# Allegro board arena_12-12_v5.brd (continued)
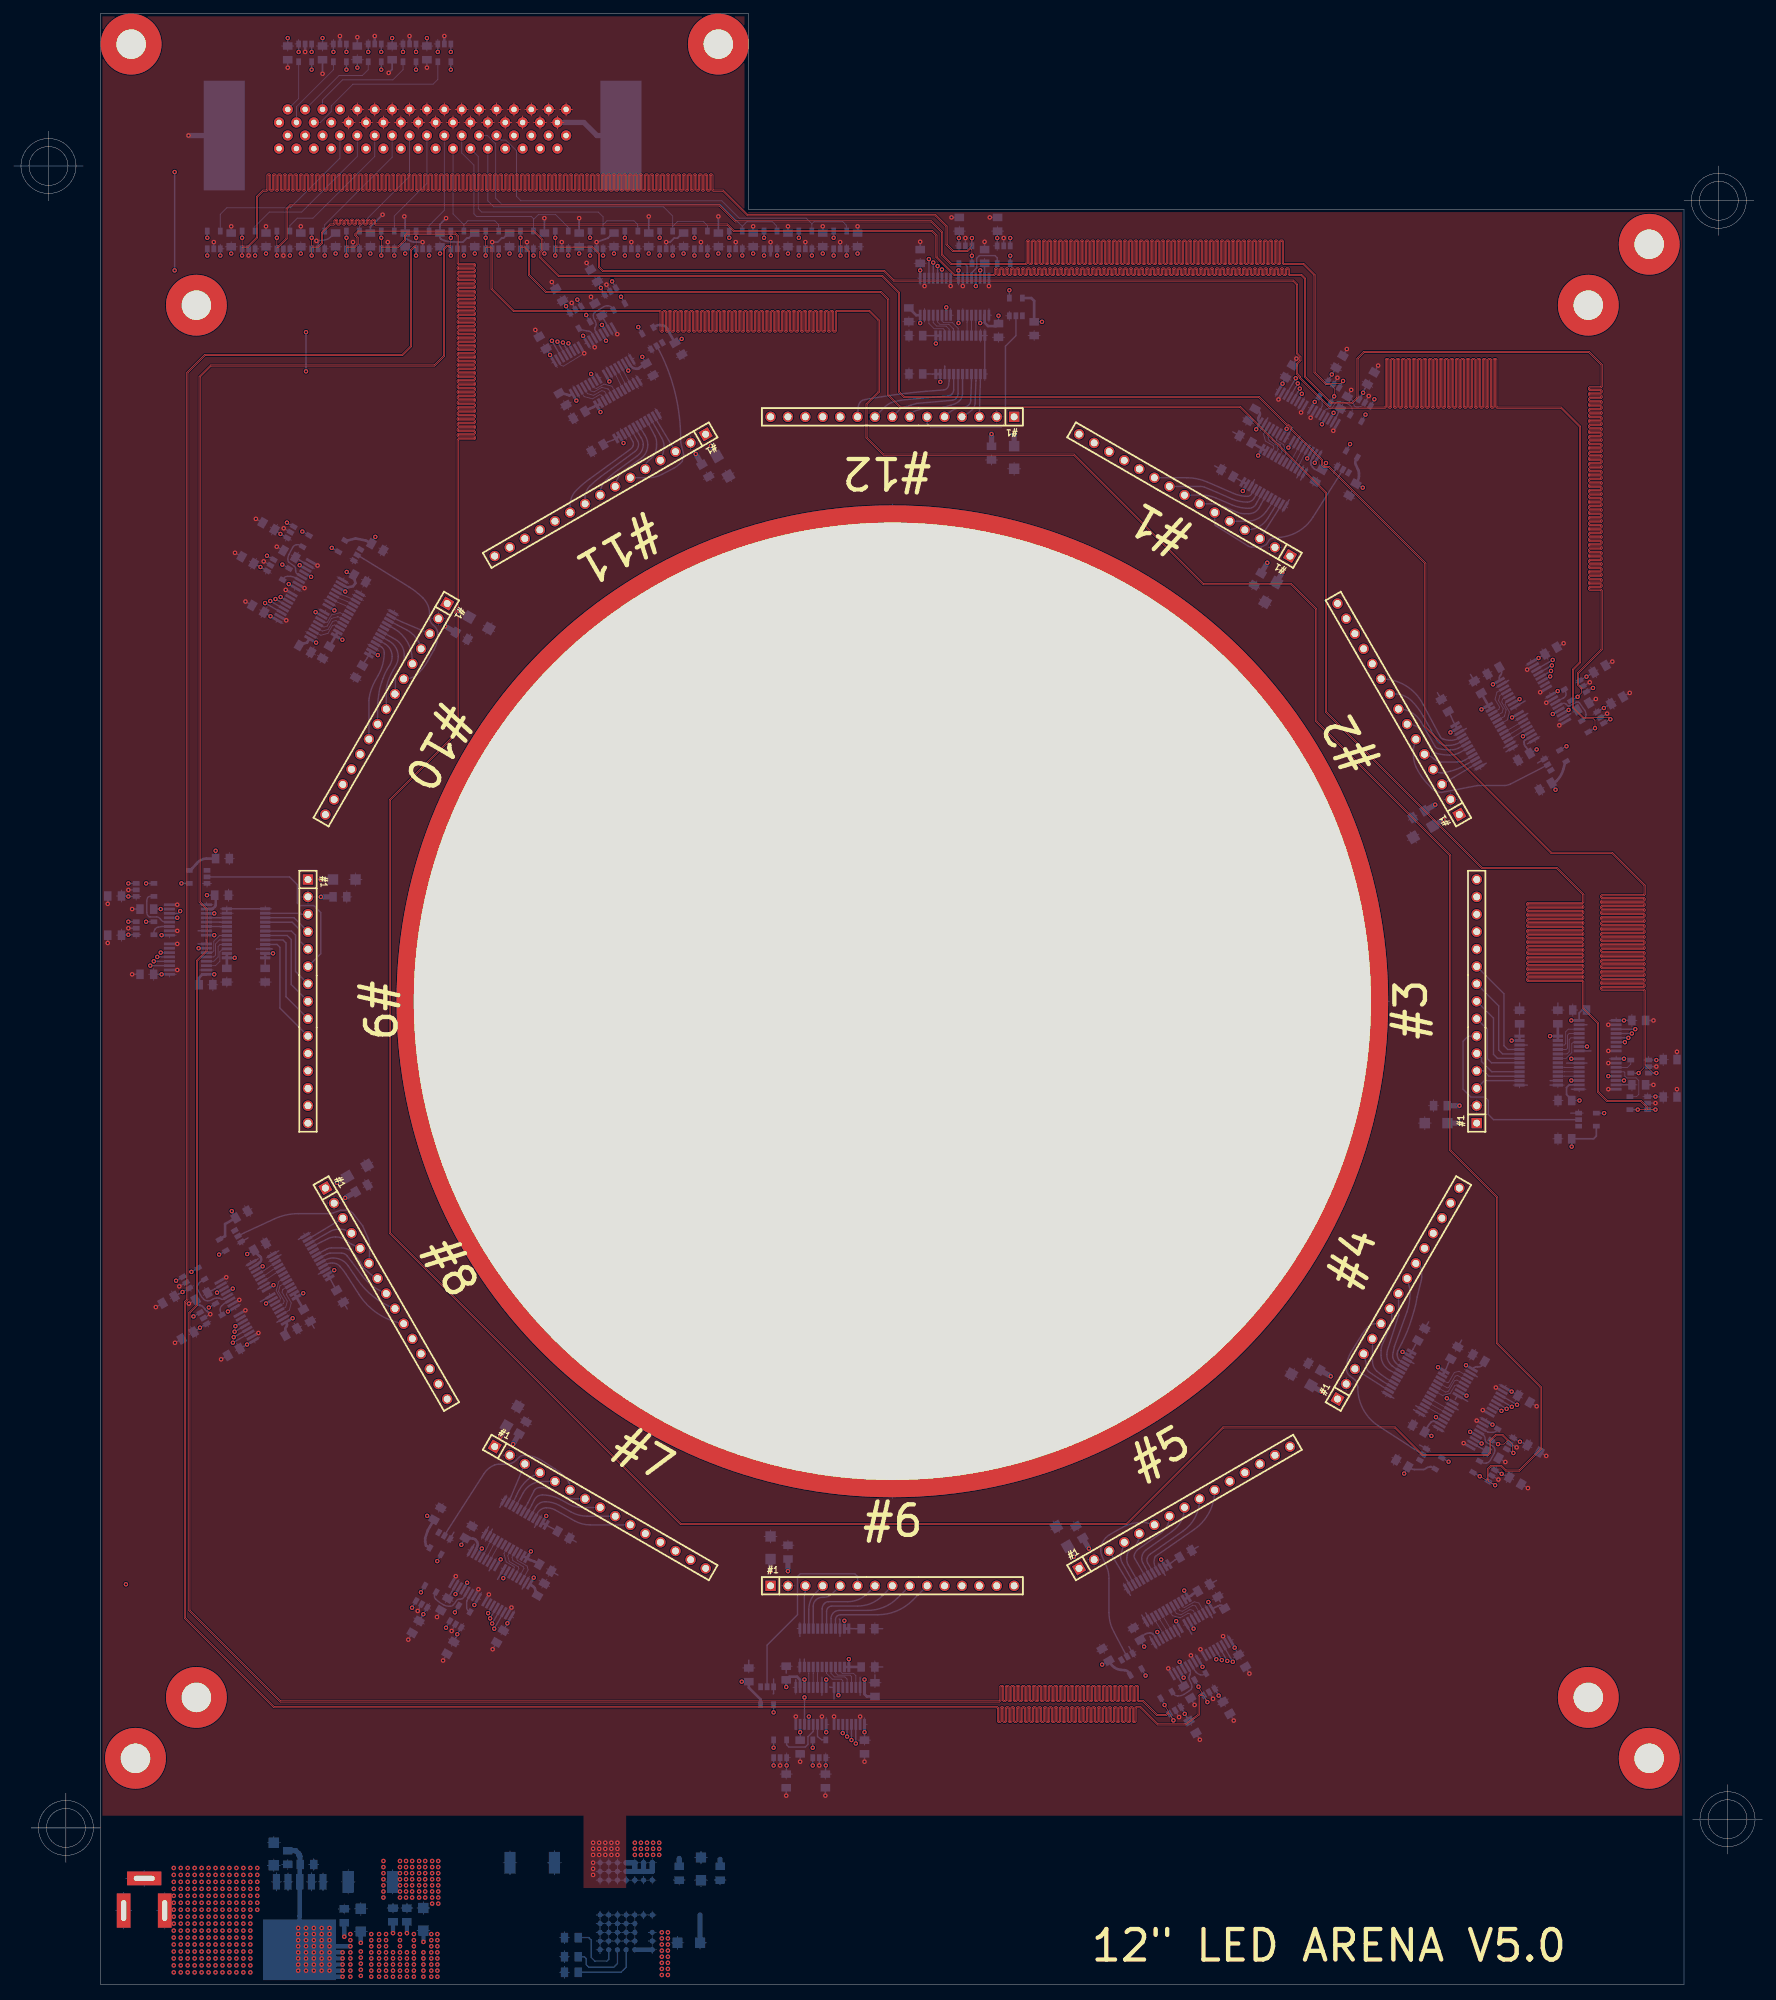
[diagram p0: board, top side]
## Placement (name value [footprint] x y rotation side) (continued)
U63  SN65LVDS1  [SOT23-5]  90.17 254.63 90 bottom
U64  SN65LVDS2  [SOT23-5]  196.6 229.74 240 bottom
U65  SN65LVDS1  [SOT23-5]  80.01 254.63 90 bottom
U66  SN65LVDS2  [SOT23-5]  230.5 184.28 210 bottom
U67  SN65LVDS1  [SOT23-5]  74.93 254.63 90 bottom
U68  SN65LVDS2  [SOT23-5]  237.24 128.65 180 bottom
U69  SN65LVDS1  [SOT23-5]  69.85 254.63 90 bottom
U70  SN65LVDS2  [SOT23-5]  214.63 74.93 150 bottom
U71  SN65LVDS1  [SOT23-5]  64.77 254.63 90 bottom
U72  SN65LVDS2  [SOT23-5]  168.91 41.15 120 bottom
U75  SN65LVDS1  [SOT23-5]  42.55 281.94 270 bottom
U76  SN65LVDS2  [SOT23-5]  117.6 34.42 90 bottom
U77  SN65LVDS1  [SOT23-5]  47.63 281.94 270 bottom
U78  SN65LVDS2  [SOT23-5]  65.15 53.72 60 bottom
U79  SN65LVDS1  [SOT23-5]  52.71 281.94 270 bottom
U80  SN65LVDS2  [SOT23-5]  28.83 97.92 30 bottom
U81  SN65LVDS1  [SOT23-5]  62.87 281.94 270 bottom
U82  SN65LVDS2  [SOT23-5]  19.18 154.18 0 bottom
U83  SN65LVDS1  [SOT23-5]  57.79 281.94 270 bottom
U84  SN65LVDS2  [SOT23-5]  38.61 206.5 330 bottom
U85  SN65LVDS1  [SOT23-5]  29.21 254.63 90 bottom
U86  SN65LVDS2  [SOT23-5]  82.68 243.33 300 bottom
U87  SN65LVDS1  [SOT23-5]  34.29 254.63 90 bottom
U88  SN65LVDS2  [SOT23-5]  138.94 252.48 270 bottom
U89  SN65LVDS1  [SOT23-5]  39.37 254.63 90 bottom
U90  SN65LVDS2  [SOT23-5]  192.02 232.41 240 bottom
U91  SN65LVDS1  [SOT23-5]  44.45 254.63 90 bottom
U92  SN65LVDS2  [SOT23-5]  227.97 188.85 210 bottom
U93  SN65LVDS1  [SOT23-5]  49.53 254.63 90 bottom
U94  SN65LVDS2  [SOT23-5]  237.36 133.98 180 bottom
U95  SN65LVDS1  [SOT23-5]  54.61 254.63 90 bottom
U96  SN65LVDS2  [SOT23-5]  217.3 79.63 150 bottom
U97  SN65LVDS1  [SOT23-5]  59.69 254.63 90 bottom
U98  SN65LVDS2  [SOT23-5]  173.86 43.81 120 bottom
U101  LT1764  [DD5]  38.35 14.99 270 bottom
U130  -  [LTM8046]  89.41 11.43 180 bottom

## Library data of the parts
C1 C45 C47 C49 C51 C53 C55 C57 C59 C61 C63 C65 C203 = CAPACITOR POL
C6 C46 C48 C50 C52 C54 C56 C58 C60 C62 C64 C66-C198 C209 C211 C212 = CAPACITOR NON-POL
C39 C42 C204 C207 = CAPACITOR
C43 C44 C205 C206 C208 C210 = CAP NP
J1-J10 J17 J19 = CONN RECT 15_10
J26 = CONN PLUG 34x2_1
J27 = HEADER 3
L1 L2 = BEADARR_4
M1-M10 = TEST POINT
R63 = RESISTOR
U1-U12 = MAX14930FASE+_0
U13-U24 = MAX14930FASE+_1
U25-U36 = MAX12931_4
U37-U48 = SN7474LVC8T245_0
U49 U51 U53 U55 U57 U59 U61 U63 U65 U67 U69 U71 U75 U77 U79 U81 U83 U85 U87 U89 U91 U93 U95 U97 = SN65LVDS1_1
U50 = SN65LVDS2_1
U52 U54 U56 U58 U60 U62 U64 U76 U78 U80 U82 U84 U86 U88 U90 = SN65LVDS2_4
U66 U68 U70 U72 U92 U94 U96 U98 = SN65LVDS2_2
U101 = LT1764
U130 = MAX12931_8

## Footprints (pads in the part's own frame, mm; a bottom-side part is the same pattern mirrored in y, then rotated)
1-32
  round 144.78 hole 139.7: 1(0,0)
8-32
  round 8.89 hole 4.305: 1(0,0)
1206
  rect 1.524x1.524 smd: 1(-1.651,0) 2(1.651,0)
DB68
  round 1.501 hole 0.8: 1(0,0) 2(-1.905,-1.27) 3(0,-2.54) 4(-1.905,-3.81) 5(0,-5.08) 6(-1.905,-6.35) 7(0,-7.62) 8(-1.905,-8.89) 9(0,-10.16) 10(-1.905,-11.43) 11(0,-12.7) 12(-1.905,-13.97) 13(0,-15.24) 14(-1.905,-16.51) 15(0,-17.78) 16(-1.905,-19.05) 17(0,-20.32) 18(-1.905,-21.59) 19(0,-22.86) 20(-1.905,-24.13) 21(0,-25.4) 22(-1.905,-26.67) 23(0,-27.94) 24(-1.905,-29.21) 25(0,-30.48) 26(-1.905,-31.75) 27(0,-33.02) 28(-1.905,-34.29) 29(0,-35.56) 30(-1.905,-36.83) 31(0,-38.1) 32(-1.905,-39.37) 33(0,-40.64) 34(-1.905,-41.91) 35(-3.81,0) 36(-5.715,-1.27) 37(-3.81,-2.54) 38(-5.715,-3.81) 39(-3.81,-5.08) 40(-5.715,-6.35) 41(-3.81,-7.62) 42(-5.715,-8.89) 43(-3.81,-10.16) 44(-5.715,-11.43) 45(-3.81,-12.7) 46(-5.715,-13.97) 47(-3.81,-15.24) 48(-5.715,-16.51) 49(-3.81,-17.78) 50(-5.715,-19.05) 51(-3.81,-20.32) 52(-5.715,-21.59) 53(-3.81,-22.86) 54(-5.715,-24.13) 55(-3.81,-25.4) 56(-5.715,-26.67) 57(-3.81,-27.94) 58(-5.715,-29.21) 59(-3.81,-30.48) 60(-5.715,-31.75) 61(-3.81,-33.02) 62(-5.715,-34.29) 63(-3.81,-35.56) 64(-5.715,-36.83) 65(-3.81,-38.1) 66(-5.715,-39.37) 67(-3.81,-40.64) 68(-5.715,-41.91)
  rect 15.999x5.999 smd: 69(-3.81,8.001) 70(-3.81,-49.901)
DD5
  rect 2.286x1.067 smd: 1(0,0) 2(0,-1.702) 3(0,-3.404) 4(0,-5.105) 5(0,-6.807)
  rect 8.89x10.668 smd: 6(9.906,-3.378)
EIA0805
  rect 1.1x1.4 smd: 1(-1.001,0) 2(1.001,0)
EIA2512
  rect 1.651x3.175 smd: 1(-3.239,0) 2(3.239,0)
HDR-1X15
  rect 1.524x1.524 hole 1.016: 1(0,0)
  round 1.524 hole 1.016: 2(2.54,0) 3(5.08,0) 4(7.62,0) 5(10.16,0) 6(12.7,0) 7(15.24,0) 8(17.78,0) 9(20.32,0) 10(22.86,0) 11(25.4,0) 12(27.94,0) 13(30.48,0) 14(33.02,0) 15(35.56,0)
LTM8046
  round 0.78 smd: A1(-3.81,6.35) A2(-2.54,6.35) A3(-1.27,6.35) A4(0,6.35) A5(1.27,6.35) A6(2.54,6.35) A7(3.81,6.35) B1(-3.81,5.08) B2(-2.54,5.08) B3(-1.27,5.08) B4(0,5.08) B5(1.27,5.08) B6(2.54,5.08) B7(3.81,5.08) C1(-3.81,3.81) C2(-2.54,3.81) C3(-1.27,3.81) C4(0,3.81) C5(1.27,3.81) C6(2.54,3.81) C7(3.81,3.81) G1(-3.81,-1.27) G2(-2.54,-1.27) G3(-1.27,-1.27) G4(0,-1.27) G5(1.27,-1.27) G6(2.54,-1.27) G7(3.81,-1.27) H3(-1.27,-2.54) H4(0,-2.54) H5(1.27,-2.54) H6(2.54,-2.54) H7(3.81,-2.54) J1(-3.81,-3.81) J3(-1.27,-3.81) J4(0,-3.81) J5(1.27,-3.81) J6(2.54,-3.81) J7(3.81,-3.81) K1(-3.81,-5.08) K3(-1.27,-5.08) K4(0,-5.08) K5(1.27,-5.08) K6(2.54,-5.08) K7(3.81,-5.08) L1(-3.81,-6.35) L3(-1.27,-6.35) L4(0,-6.35) L5(1.27,-6.35) L6(2.54,-6.35) L7(3.81,-6.35)
PJ102A
  rect 5.001x1.999 hole 3.051x0.759: 1(0,-3) 2(0,3)
  rect 1.999x5.001 hole 0.759x3.051: 3(-4.699,0)
SOP16
  rect 1.6x0.409 smd: 1(0,0) 2(0,-0.635) 3(0,-1.27) 4(0,-1.905) 5(0,-2.54) 6(0,-3.175) 7(0,-3.81) 8(0,-4.445) 9(5.4,-4.445) 10(5.4,-3.81) 11(5.4,-3.175) 12(5.4,-2.54) 13(5.4,-1.905) 14(5.4,-1.27) 15(5.4,-0.635) 16(5.4,0)
SOT23-5
  rect 0.991x0.691 smd: 1(-1.295,0.95) 2(-1.295,0) 3(-1.295,-0.95) 4(1.295,-0.95) 5(1.295,0.95)
TSSOP24
  rect 1.499x0.45 smd: 1(0,0) 2(0,-0.65) 3(0,-1.3) 4(0,-1.951) 5(0,-2.601) 6(0,-3.251) 7(0,-3.899) 8(0,-4.549) 9(0,-5.199) 10(0,-5.85) 11(0,-6.5) 12(0,-7.15) 13(5.601,-7.15) 14(5.601,-6.5) 15(5.601,-5.85) 16(5.601,-5.199) 17(5.601,-4.549) 18(5.601,-3.899) 19(5.601,-3.251) 20(5.601,-2.601) 21(5.601,-1.951) 22(5.601,-1.3) 23(5.601,-0.65) 24(5.601,0)

## Nets
3.3V: C68.1 C70.1 C72.1 C74.1 C76.1 C78.1 C80.1 C82.1 C84.1 C86.1 C88.1 C90.1 C92.1 C94.1 C96.1 C98.1 C100.1 C102.1 C104.1 C106.1 C108.1 C110.1 C112.1 C114.1 C115.1 C116.1 C117.1 C118.1 C119.1 C120.1 C121.1 C122.1 C123.1 C124.1 C125.1 C126.1 C127.1 C129.1 C131.1 C133.1 C135.1 C137.1 C139.1 C141.1 C143.1 C145.1 C147.1 C149.1 C207.1 C208.1 C210.1 L1.2 U1.10 U1.16(VDDB) U2.10 U2.16(VDDB) U3.10 U3.16(VDDB) U4.10 U4.16(VDDB) U5.10 U5.16(VDDB) U6.10 U6.16(VDDB) U7.10 U7.16(VDDB) U8.10 U8.16(VDDB) U9.10 U9.16(VDDB) U10.10 U10.16(VDDB) U11.10 U11.16(VDDB) U12.10 U12.16(VDDB) U13.10 U13.16(VDDB) U14.10 U14.16(VDDB) U15.10 U15.16(VDDB) U16.10 U16.16(VDDB) U17.10 U17.16(VDDB) U18.10 U18.16(VDDB) U19.10 U19.16(VDDB) U20.10 U20.16(VDDB) U21.10 U21.16(VDDB) U22.10 U22.16(VDDB) U23.10 U23.16(VDDB) U24.10 U24.16(VDDB) U25.5 U26.5 U27.5 U28.5 U29.5 U30.5 U31.5 U32.5 U33.5 U34.5 U35.5 U36.5 U37.1 U37.2 U38.1 U38.2 U39.1 U39.2 U40.1 U40.2 U41.1 U41.2 U42.1 U42.2 U43.1 U43.2 U44.1 U44.2 U45.1 U45.2 U46.1 U46.2 U47.1 U47.2 U48.1 U48.2
5VDC: C1.1 C6.1 C39.1 C45.1 C46.1 C47.1 C48.1 C49.1 C50.1 C51.1 C52.1 C53.1 C54.1 C55.1 C56.1 C57.1 C58.1 C59.1 C60.1 C61.1 C62.1 C63.1 C64.1 C65.1 C66.1 C128.1 C130.1 C132.1 C134.1 C136.1 C138.1 C140.1 C142.1 C144.1 C146.1 C148.1 C150.1 C203.1 C209.1 J1.1 J2.1 J3.1 J4.1 J5.1 J6.1 J7.1 J8.1 J9.1 J10.1 J17.1 J19.1 J27.1 U37.23 U37.24 U38.23 U38.24 U39.23 U39.24 U40.23 U40.24 U41.23 U41.24 U42.23 U42.24 U43.23 U43.24 U44.23 U44.24 U45.23 U45.24 U46.23 U46.24 U47.23 U47.24 U48.23 U48.24 U101.1 U101.2 U130.J1 U130.K1 U130.L1 U130.L3
GND_3V: C1.2 C6.2 C39.2 C45.2 C46.2 C47.2 C48.2 C49.2 C50.2 C51.2 C52.2 C53.2 C54.2 C55.2 C56.2 C57.2 C58.2 C59.2 C60.2 C61.2 C62.2 C63.2 C64.2 C65.2 C66.2 C68.2 C70.2 C72.2 C74.2 C76.2 C78.2 C80.2 C82.2 C84.2 C86.2 C88.2 C90.2 C92.2 C94.2 C96.2 C98.2 C100.2 C102.2 C104.2 C106.2 C108.2 C110.2 C112.2 C114.2 C115.2 C116.2 C117.2 C118.2 C119.2 C120.2 C121.2 C122.2 C123.2 C124.2 C125.2 C126.2 C127.2 C128.2 C129.2 C130.2 C131.2 C132.2 C133.2 C134.2 C135.2 C136.2 C137.2 C138.2 C139.2 C140.2 C141.2 C142.2 C143.2 C144.2 C145.2 C146.2 C147.2 C148.2 C149.2 C150.2 C203.2 C204.2 C205.2 C206.2 C207.2 C208.2 C209.2 C210.2 C211.1 C212.1 J1.2 J2.2 J3.2 J4.2 J5.2 J6.2 J7.2 J8.2 J9.2 J10.2 J17.2 J19.2 J27.2 J27.3 L2.2 M9.1 R63.1 U1.9 U1.15 U2.9 U2.15 U3.9 U3.15 U4.9 U4.15 U5.9 U5.15 U6.9 U6.15 U7.9 U7.15 U8.9 U8.15 U9.9 U9.15 U10.9 U10.15 U11.9 U11.15 U12.9 U12.15 U13.9 U13.15 U14.9 U14.15 U15.9 U15.15 U16.9 U16.15 U17.9 U17.15 U18.9 U18.15 U19.9 U19.15 U20.9 U20.15 U21.9 U21.15 U22.9 U22.15 U23.9 U23.15 U24.9 U24.15 U25.3 U26.3 U27.3 U28.3 U29.3 U30.3 U31.3 U32.3 U33.3 U34.3 U35.3 U36.3 U37.11 U37.12 U37.13 U37.22(\\O\E\) U38.11 U38.12 U38.13 U38.22(\\O\E\) U39.11 U39.12 U39.13 U39.22(\\O\E\) U40.11 U40.12 U40.13 U40.22(\\O\E\) U41.11 U41.12 U41.13 U41.22(\\O\E\) U42.11 U42.12 U42.13 U42.22(\\O\E\) U43.11 U43.12 U43.13 U43.22(\\O\E\) U44.11 U44.12 U44.13 U44.22(\\O\E\) U45.11 U45.12 U45.13 U45.22(\\O\E\) U46.11 U46.12 U46.13 U46.22(\\O\E\) U47.11 U47.12 U47.13 U47.22(\\O\E\) U48.11 U48.12 U48.13 U48.22(\\O\E\) U101.3 U101.6 U130.G1 U130.G2 U130.G3 U130.G4 U130.G5 U130.G6 U130.G7 U130.H3 U130.H4 U130.H5 U130.H6 U130.H7 U130.J3 U130.J4 U130.J5 U130.J6 U130.J7 U130.K3 U130.K4 U130.K5 U130.K6 U130.K7 U130.L7
GND_ISO3: C42.2 C43.2 C44.2 C67.2 C69.2 C71.2 C73.2 C75.2 C77.2 C79.2 C81.2 C83.2 C85.2 C87.2 C89.2 C91.2 C93.2 C95.2 C97.2 C99.2 C101.2 C103.2 C105.2 C107.2 C109.2 C111.2 C113.2 C151.2 C152.2 C153.2 C154.2 C155.2 C156.2 C157.2 C158.2 C159.2 C160.2 C161.2 C162.2 C163.2 C164.2 C165.2 C166.2 C167.2 C168.2 C169.2 C170.2 C171.2 C172.2 C173.2 C174.2 C175.2 C176.2 C177.2 C178.2 C179.2 C180.2 C181.2 C182.2 C183.2 C184.2 C185.2 C186.2 C187.2 C188.2 C189.2 C190.2 C191.2 C192.2 C193.2 C194.2 C195.2 C196.2 C197.2 C198.2 J26.1 J26.2 J26.3 J26.4 J26.5 J26.6 J26.7 J26.8 J26.9 J26.10 J26.11 J26.12 J26.13 J26.14 J26.15 J26.16 J26.17 J26.18 J26.19 J26.20 J26.21 J26.22 J26.23 J26.24 J26.25 J26.26 J26.69 J26.70 L2.1 U1.2 U1.8 U2.2 U2.8 U3.2 U3.8 U4.2 U4.8 U5.2 U5.8 U6.2 U6.8 U7.2 U7.8 U8.2 U8.8 U9.2 U9.8 U10.2 U10.8 U11.2 U11.8 U12.2 U12.8 U13.2 U13.8 U14.2 U14.8 U15.2 U15.8 U16.2 U16.8 U17.2 U17.8 U18.2 U18.8 U19.2 U19.8 U20.2 U20.8 U21.2 U21.8 U22.2 U22.8 U23.2 U23.8 U24.2 U24.8 U49.2 U50.2 U51.2 U52.2 U53.2 U54.2 U55.2 U56.2 U57.2 U58.2 U59.2 U60.2 U61.2 U62.2 U63.2 U64.2 U65.2 U66.2 U67.2 U68.2 U69.2 U70.2 U71.2 U72.2 U75.2 U76.2 U77.2 U78.2 U79.2 U80.2 U81.2 U82.2 U83.2 U84.2 U85.2 U86.2 U87.2 U88.2 U89.2 U90.2 U91.2 U92.2 U93.2 U94.2 U95.2 U96.2 U97.2 U98.2 U130.A5 U130.A6 U130.A7 U130.B5 U130.B6 U130.B7 U130.C1 U130.C2 U130.C3 U130.C4 U130.C5 U130.C6 U130.C7
1CS0: U1.11 U37.6
1CS1: U1.12 U37.5
1CS2: U1.13 U37.4
1CS3: U1.14 U37.3
1MISO: U13.11 U25.4(Y)
1MOSI: U13.14 U37.8
1RESET: U13.12 U37.10
1SCK: U13.13 U37.9
1XCS0: J4.7 U37.18
1XCS1: J4.8 U37.19
1XCS2: J4.9 U37.20
1XCS3: J4.10 U37.21
1XMISO: J4.6 U25.2
1XMOSI: J4.5 U37.16
1XRESET: J4.3 U37.14
1XSCK: J4.4 U37.15
2CS0: U2.11 U38.6
2CS1: U2.12 U38.5
2CS2: U2.13 U38.4
2CS3: U2.14 U38.3
2MISO: U14.11 U26.4(Y)
2MOSI: U14.14 U38.8
2RESET: U14.12 U38.10
2SCK: U14.13 U38.9
2XCS0: J1.7 U38.18
2XCS1: J1.8 U38.19
2XCS2: J1.9 U38.20
2XCS3: J1.10 U38.21
2XMISO: J1.6 U26.2
2XMOSI: J1.5 U38.16
2XRESET: J1.3 U38.14
2XSCK: J1.4 U38.15
3CS0: U3.11 U39.6
3CS1: U3.12 U39.5
3CS2: U3.13 U39.4
3CS3: U3.14 U39.3
3MISO: U15.11 U27.4(Y)
3MOSI: U15.14 U39.8
3RESET: U15.12 U39.10
3SCK: U15.13 U39.9
3XCS0: J10.7 U39.18
3XCS1: J10.8 U39.19
3XCS2: J10.9 U39.20
3XCS3: J10.10 U39.21
3XMISO: J10.6 U27.2
3XMOSI: J10.5 U39.16
3XRESET: J10.3 U39.14
3XSCK: J10.4 U39.15
4CS0: U4.11 U40.6
4CS1: U4.12 U40.5
4CS2: U4.13 U40.4
4CS3: U4.14 U40.3
4MISO: U16.11 U28.4(Y)
4MOSI: U16.14 U40.8
4RESET: U16.12 U40.10
4SCK: U16.13 U40.9
4XCS0: J5.7 U40.18
4XCS1: J5.8 U40.19
4XCS2: J5.9 U40.20
4XCS3: J5.10 U40.21
4XMISO: J5.6 U28.2
4XMOSI: J5.5 U40.16
4XRESET: J5.3 U40.14
4XSCK: J5.4 U40.15
5CS0: U5.11 U41.6
5CS1: U5.12 U41.5
5CS2: U5.13 U41.4
5CS3: U5.14 U41.3
5MISO: U17.11 U29.4(Y)
5MOSI: U17.14 U41.8
5RESET: U17.12 U41.10
5SCK: U17.13 U41.9
5XCS0: J17.7 U41.18
5XCS1: J17.8 U41.19
5XCS2: J17.9 U41.20
5XCS3: J17.10 U41.21
5XMISO: J17.6 U29.2
5XMOSI: J17.5 U41.16
5XRESET: J17.3 U41.14
5XSCK: J17.4 U41.15
6CS0: U6.11 U42.6
6CS1: U6.12 U42.5
6CS2: U6.13 U42.4
6CS3: U6.14 U42.3
6MISO: U18.11 U30.4(Y)
6MOSI: U18.14 U42.8
6RESET: U18.12 U42.10
6SCK: U18.13 U42.9
6XCS0: J6.7 U42.18
6XCS1: J6.8 U42.19
6XCS2: J6.9 U42.20
6XCS3: J6.10 U42.21
6XMISO: J6.6 U30.2
6XMOSI: J6.5 U42.16
6XRESET: J6.3 U42.14
6XSCK: J6.4 U42.15
7CS0: U7.11 U43.6
7CS1: U7.12 U43.5
7CS2: U7.13 U43.4
7CS3: U7.14 U43.3
7MISO: U19.11 U31.4(Y)
7MOSI: U19.14 U43.8
7RESET: U19.12 U43.10
7SCK: U19.13 U43.9
7XCS0: J19.7 U43.18
7XCS1: J19.8 U43.19
7XCS2: J19.9 U43.20
7XCS3: J19.10 U43.21
7XMISO: J19.6 U31.2
7XMOSI: J19.5 U43.16
7XRESET: J19.3 U43.14
7XSCK: J19.4 U43.15
8CS0: U8.11 U44.6
8CS1: U8.12 U44.5
8CS2: U8.13 U44.4
8CS3: U8.14 U44.3
8MISO: U20.11 U32.4(Y)
8MOSI: U20.14 U44.8
8RESET: U20.12 U44.10
8SCK: U20.13 U44.9
8XCS0: J7.7 U44.18
8XCS1: J7.8 U44.19
8XCS2: J7.9 U44.20
8XCS3: J7.10 U44.21
8XMISO: J7.6 U32.2
8XMOSI: J7.5 U44.16
8XRESET: J7.3 U44.14
8XSCK: J7.4 U44.15
9CS0: U9.11 U45.6
9CS1: U9.12 U45.5
9CS2: U9.13 U45.4
9CS3: U9.14 U45.3
9MISO: U21.11 U33.4(Y)
9MOSI: U21.14 U45.8
9RESET: U21.12 U45.10
9SCK: U21.13 U45.9
9XCS0: J3.7 U45.18
9XCS1: J3.8 U45.19
9XCS2: J3.9 U45.20
9XCS3: J3.10 U45.21
9XMISO: J3.6 U33.2
9XMOSI: J3.5 U45.16
9XRESET: J3.3 U45.14
9XSCK: J3.4 U45.15
10CS0: U10.11 U46.6
10CS1: U10.12 U46.5
10CS2: U10.13 U46.4
10CS3: U10.14 U46.3
10MISO: U22.11 U34.4(Y)
10MOSI: U22.14 U46.8
10RESET: U22.12 U46.10
10SCK: U22.13 U46.9
10XCS0: J9.7 U46.18
10XCS1: J9.8 U46.19
10XCS2: J9.9 U46.20
10XCS3: J9.10 U46.21
10XMISO: J9.6 U34.2
10XMOSI: J9.5 U46.16
10XRESET: J9.3 U46.14
10XSCK: J9.4 U46.15
11CS0: U11.11 U47.6
11CS1: U11.12 U47.5
11CS2: U11.13 U47.4
11CS3: U11.14 U47.3
11MISO: U23.11 U35.4(Y)
11MOSI: U23.14 U47.8
11RESET: U23.12 U47.10
11SCK: U23.13 U47.9
11XCS0: J2.7 U47.18
11XCS1: J2.8 U47.19
11XCS2: J2.9 U47.20
11XCS3: J2.10 U47.21
11XMISO: J2.6 U35.2
11XMOSI: J2.5 U47.16
11XRESET: J2.3 U47.14
11XSCK: J2.4 U47.15
12CS0: U12.11 U48.6
12CS1: U12.12 U48.5
12CS2: U12.13 U48.4
12CS3: U12.14 U48.3
12MISO: U24.11 U36.4(Y)
12MOSI: U24.14 U48.8
12RESET: U24.12 U48.10
12SCK: U24.13 U48.9
12XCS0: J8.7 U48.18
12XCS1: J8.8 U48.19
12XCS2: J8.9 U48.20
12XCS3: J8.10 U48.21
12XMISO: J8.6 U36.2
12XMOSI: J8.5 U48.16
12XRESET: J8.3 U48.14
12XSCK: J8.4 U48.15
CS0: J26.35 U1.6 U2.6 U3.6 U4.6 U5.6 U6.6 U7.6 U8.6 U9.6 U10.6 U11.6 U12.6
CS1: J26.36 U1.5 U2.5 U3.5 U4.5 U5.5 U6.5 U7.5 U8.5 U9.5 U10.5 U11.5 U12.5
CS2: J26.37 U1.4 U2.4 U3.4 U4.4 U5.4 U6.4 U7.4 U8.4 U9.4 U10.4 U11.4 U12.4
CS3: J26.38 U1.3 U2.3 U3.3 U4.3 U5.3 U6.3 U7.3 U8.3 U9.3 U10.3 U11.3 U12.3
CS4: J26.39
CS5: J26.40
CS6: J26.41
CS7: J26.42
EXT_INT_IN: J26.68
ISO3.3V: C42.1 C43.1 C44.1 C67.1 C69.1 C71.1 C73.1 C75.1 C77.1 C79.1 C81.1 C83.1 C85.1 C87.1 C89.1 C91.1 C93.1 C95.1 C97.1 C99.1 C101.1 C103.1 C105.1 C107.1 C109.1 C111.1 C113.1 C151.1 C152.1 C153.1 C154.1 C155.1 C156.1 C157.1 C158.1 C159.1 C160.1 C161.1 C162.1 C163.1 C164.1 C165.1 C166.1 C167.1 C168.1 C169.1 C170.1 C171.1 C172.1 C173.1 C174.1 C175.1 C176.1 C177.1 C178.1 C179.1 C180.1 C181.1 C182.1 C183.1 C184.1 C185.1 C186.1 C187.1 C188.1 C189.1 C190.1 C191.1 C192.1 C193.1 C194.1 C195.1 C196.1 C197.1 C198.1 U1.1 U2.1 U3.1 U4.1 U5.1 U6.1 U7.1 U8.1 U8.7 U9.1 U10.1 U11.1 U12.1 U13.1 U13.7 U14.1 U14.7 U15.1 U15.7 U16.1 U16.7 U17.1 U17.7 U18.1 U18.7 U19.1 U19.7 U20.1 U20.7 U21.1 U21.7 U22.1 U22.7 U23.1 U23.7 U24.1 U24.7 U49.1(VCC) U50.1(VCC) U51.1(VCC) U52.1(VCC) U53.1(VCC) U54.1(VCC) U55.1(VCC) U56.1(VCC) U57.1(VCC) U58.1(VCC) U59.1(VCC) U60.1(VCC) U61.1(VCC) U62.1(VCC) U63.1(VCC) U64.1(VCC) U65.1(VCC) U66.1(VCC) U67.1(VCC) U68.1(VCC) U69.1(VCC) U70.1(VCC) U71.1(VCC) U72.1(VCC) U75.1(VCC) U76.1(VCC) U77.1(VCC) U78.1(VCC) U79.1(VCC) U80.1(VCC) U81.1(VCC) U82.1(VCC) U83.1(VCC) U84.1(VCC) U85.1(VCC) U86.1(VCC) U87.1(VCC) U88.1(VCC) U89.1(VCC) U90.1(VCC) U91.1(VCC) U92.1(VCC) U93.1(VCC) U94.1(VCC) U95.1(VCC) U96.1(VCC) U97.1(VCC) U98.1(VCC) U130.A1 U130.A2 U130.A3 U130.A4 U130.B1 U130.B2 U130.B3 U130.B4(VOUT_8)
M0_N: U75.3 U76.4
M0_P: U75.4 U76.3
M1_N: U77.3 U78.4
M1_P: U77.4 U78.3
M2_N: U79.3 U80.4
M2_P: U79.4 U80.3
M3_N: U81.3 U82.4
M3_P: U81.4 U82.3
M4_N: U83.3 U84.4
M4_P: U83.4 U84.3
M5_N: U85.3 U86.4
M5_P: U85.4 U86.3
M6_N: U87.3 U88.4
M6_P: U87.4 U88.3
M7_N: U89.3 U90.4
M7_P: U89.4 U90.3
M8_N: U91.3 U92.4
M8_P: U91.4 U92.3
M9_N: U93.3 U94.4
M9_P: U93.4 U94.3
M10_N: U95.3 U96.4
M10_P: U95.4 U96.3
M11_N: U97.3 U98.4
M11_P: U97.4 U98.3
MISO0: J26.67 U13.6
MISO1: J26.66 U14.6
MISO2: J26.65 U15.6
MISO3: J26.64 U16.6
MISO4: J26.63 U17.6
MISO5: J26.62 U18.6
MISO6: J26.60 U19.6
MISO7: J26.58 U20.6
MISO8: J26.56 U21.6
MISO9: J26.54 U22.6
MISO10: J26.52 U23.6
MISO11: J26.50 U24.6
MOSI0: U13.3 U76.5
MOSI1: U14.3 U78.5
MOSI2: U15.3 U80.5
MOSI3: U16.3 U82.5
MOSI4: U17.3 U84.5
MOSI5: U18.3 U86.5
MOSI6: U19.3 U88.5
MOSI7: U20.3 U90.5
MOSI8: U21.3 U92.5
MOSI9: U22.3 U94.5
MOSI10: U23.3 U96.5
MOSI11: U24.3 U98.5
MOSI_0: J26.33 U75.5
MOSI_1: J26.32 U77.5
MOSI_2: J26.31 U79.5
MOSI_3: J26.30 U81.5
MOSI_4: J26.29 U83.5
MOSI_5: J26.61 U85.5
MOSI_6: J26.59 U87.5
MOSI_7: J26.57 U89.5
MOSI_8: J26.55 U91.5
MOSI_9: J26.53 U93.5
MOSI_10: J26.51 U95.5
MOSI_11: J26.49 U97.5
RESET: J26.34 U13.5 U14.5 U15.5 U16.5 U17.5 U18.5 U19.5 U20.5 U21.5 U22.5 U23.5 U24.5
S0_N: U49.3 U50.4
S0_P: U49.4 U50.3
S1_N: U51.3 U52.4
S1_P: U51.4 U52.3
S2_N: U53.3 U54.4
S2_P: U53.4 U54.3
S3_N: U55.3 U56.4
S3_P: U55.4 U56.3
S4_N: U57.3 U58.4
S4_P: U57.4 U58.3
S5_N: U59.3 U60.4
S5_P: U59.4 U60.3
S6_N: U61.3 U62.4
S6_P: U61.4 U62.3
S7_N: U63.3 U64.4
S7_P: U63.4 U64.3
S8_N: U65.3 U66.4
S8_P: U65.4 U66.3
S9_N: U67.3 U68.4
S9_P: U67.4 U68.3
S10_N: U69.3 U70.4
S10_P: U69.4 U70.3
S11_N: U71.3 U72.4
S11_P: U71.4 U72.3
SCK0: U13.4 U50.5
SCK1: U14.4 U52.5
SCK2: U15.4 U54.5
SCK3: U16.4 U56.5
SCK4: U17.4 U58.5
SCK5: U18.4 U60.5
SCK6: U19.4 U62.5
SCK7: U20.4 U64.5
SCK8: U21.4 U66.5
SCK9: U22.4 U68.5
SCK10: U23.4 U70.5
SCK11: U24.4 U72.5
SCK_0: J26.43 U49.5 U51.5
SCK_1: J26.44 U53.5 U55.5
SCK_2: J26.45 U57.5 U59.5
SCK_3: J26.46 U61.5 U63.5
SCK_4: J26.47 U65.5 U67.5
SCK_5: J26.48 U69.5 U71.5
N625249: C204.1 C205.1 C206.1 L1.1 U101.4 U101.5(SENSE)
N764345: R63.2 U130.L6
N765949: C212.2 U130.L5
N765953: C211.2 U130.L4

Pads without a net: J1 11 12 13 14 15; J2 11 12 13 14 15; J3 11 12 13 14 15; J4 11 12 13 14 15; J5 11 12 13 14 15; J6 11 12 13 14 15; J7 11 12 13 14 15; J8 11 12 13 14 15; J9 11 12 13 14 15; J10 11 12 13 14 15; J17 11 12 13 14 15; J19 11 12 13 14 15; J26 27 28; M1 1; M2 1; M3 1; M4 1; M5 1; M6 1; M7 1; M8 1; M10 1; U1 7; U2 7; U3 7; U4 7; U5 7; U6 7; U7 7; U9 7; U10 7; U11 7; U12 7; U25 1; U26 1; U27 1; U28 1; U29 1; U30 1; U31 1; U32 1; U33 1; U34 1; U35 1; U36 1; U37 7 17; U38 7 17; U39 7 17; U40 7 17; U41 7 17; U42 7 17; U43 7 17; U44 7 17; U45 7 17; U46 7 17; U47 7 17; U48 7 17

## Via types
v1: diameter 0.66, hole 0.33, TOP to BOTTOM, 1006 vias

## Routing (per net, layer and track width the routed paths; a pad name or vN(x,y) marks a point on that pad's centre or on a via; arc(x,y) is an arc through that point)
3.3V: length 250.3
  BOTTOM w0.127: 54.3,14.99 L1.2 ; L1.2 56.31,14.99 ; L1.2 55.31,16.75 ; L1.2 55.31,13.22 ; 59.82,10.23 C207.1 ; C207.1 59.82,12.12 ; C207.1 60.76,11.18 ; C207.1 58.87,11.18 ; C208.1 55.37,11.89 ; C208.1 55.37,10.43 ; C208.1 54.49,11.16 ; C208.1 56.25,11.16 ; 56.52,11.16 C210.1 ; C210.1 57.4,10.43 ; C210.1 58.29,11.16 ; C210.1 57.4,11.89
  BOTTOM w0.203: C92.1 v1(91.77,237.57) ; U18.16 v1(86.96,233.98) ; C70.1 v1(228.58,129.03) ; U20.16 v1(186.09,224.33) ; U9.10 v1(219.83,187.61) ; U10.16 v1(227.39,140.72) ; U19.16 v1(137.92,242.5) ; U12.16 v1(174.4,55.83) ; C123.1 v1(227.44,122.3) ; C121.1 v1(29.48,165.48) ; U4.16 v1(29.28,147.45) ; U46.1 v1(224.28,138.43) ; U21.16 v1(218.74,184.94) ; U39.1 v1(42.27,100.9) ; v1(134.62,239.52) U43.1 C141.1 ; U41.1 v1(47.98,196.28) ; U5.16 v1(44.15,195.86) ; U1.16 v1(124.21,44.52) ; U22.16 v1(227.39,135.13) ; U23.16 v1(209.22,85.57) ; U14.16 v1(71.09,62.05) ; U16.16 v1(29.28,153.16) ; C116.1 v1(196.94,218.48) ; U3.10 v1(36.83,99.41) ; U3.16 v1(40.72,97.25) ; U11.16 v1(212.01,90.39) ; U2.16 v1(75.92,59.39) ; C119.1 v1(97.52,240.2) ; U44.1 v1(181.67,223.16) ; U48.1 v1(170.88,57.51) ; C96.1 v1(28.21,159) ; C126.1 v1(158.89,46.7) ; C102.1 v1(222.33,180.27) ; U11.10 v1(212.09,85.95) ; U5.10 v1(44.07,200.31) ; U4.10 v1(26.99,151.26) ; C110.1 v1(165.03,49.32) ; C117.1 v1(150.11,242.68) ; U45.1 v1(214.27,186.12) ; U38.1 v1(75.5,63.22) ; U42.1 v1(85.66,229.51) ; C100.1 v1(191.57,222.07) ; U12.10 v1(172.25,51.95) ; U17.16 v1(46.81,200.56) ; U10.10 v1(229.68,136.91) ; U15.16 v1(37.92,102.08) ; U8.10 v1(185.83,227.07) ; C122.1 v1(52.79,211.29) ; C120.1 v1(31.84,112.89) ; C118.1 v1(60.36,68.41) ; U6.16 v1(82.14,231.19) ; C76.1 v1(34.08,106.62) ; U8.16 v1(181.39,227) ; U7.10 v1(136.14,244.79) ; C139.1 209.42,90.66 209.14,89.93 U47.1 v1(207.92,90.11) ; C90.1 v1(143.76,243.57) ; U6.10 v1(84.29,235.07) ; U7.16 v1(132.33,242.5) ; 49.61,205.6 v1(48.62,206.17) ; C115.1 v1(225.08,174.39) ; U37.1 v1(121.92,47.5) ; 125.73,42.18 C98.1 ; C84.1 v1(206.96,80.08) ; C80.1 v1(65.35,64.18) ; U24.16 v1(169.7,53.04) ; C125.1 v1(202.99,74.58) ; U1.10 v1(120.4,42.23) ; U2.10 v1(71.47,59.31) ; U40.1 v1(32.26,149.86) ; U13.16 v1(118.62,44.52) ; U9.16 v1(215.95,189.77)
  BOTTOM w0.254: C106.1 214.5,90.53 arc(214.19,90.24) 213.78,90.16 213.69,90.17 arc(213.29,90.1) U11.16 ; U34.5 231.04,123.85 230.63,123.44 C123.1 ; U21.10 220.6,181.62 arc(220.51,181.52) 220.47,181.39 220.47,181.37 arc(220.47,181.36) 220.47,181.34 220.53,181.03 arc(220.59,180.84) 220.71,180.68 arc(220.85,180.52) 220.97,180.34 C102.1 ; C100.1 190.38,221.06 arc(189.94,221.17) 189.61,221.48 189.43,221.79 arc(189.37,221.92) 189.35,222.06 189.35,222.3 arc(189.36,222.35) 189.37,222.4 arc(189.43,222.5) 189.49,222.61 U20.10 ; C125.1 204.03,75.3 arc(204.26,75.2) 204.52,75.17 205.79,75.17 arc(205.97,75.21) 206.12,75.31 arc(206.27,75.42) 206.44,75.49 206.78,75.58 arc(206.79,75.58) 206.8,75.58 206.82,75.59 arc(206.88,75.6) 206.94,75.58 U35.5 ; C110.1 164.58,50.55 arc(165.1,51.1) 165.83,51.31 165.97,51.31 arc(166.13,51.28) 166.28,51.2 arc(166.43,51.04) 166.56,50.86 U24.10 ; C86.1 228.98,142.24 228.53,141.79 U10.16 ; U22.10 227.08,131.32 226.69,130.94 226.69,129.92 C70.1 ; C108.1 176.59,55.19 arc(176.36,55.37) 176.07,55.36 175.8,55.25 arc(175.38,55.06) U12.16 ; U23.10 207.45,82.19 arc(207.39,82.21) 207.32,82.22 207.29,82.22 arc(207.08,82.18) 206.9,82.06 arc(206.65,81.77) 206.44,81.46 C84.1 ; C104.1 217.13,191.86 arc(217.21,191.46) 217.04,191.09 217.03,191.07 arc(216.86,190.72) U9.16
  BOTTOM w0.381: C147.1 U37.1 U37.2 ; C135.1 U41.1 U41.2 ; U27.5 30.82,109.22 30.86,109.26 30.86,111 C120.1 ; U14.10 67.68,63.96 arc(67.74,64.26) 67.67,64.56 arc(67.55,64.76) 67.4,64.94 arc(67.22,65.06) 67,65.1 66.14,65.1 arc(66.05,65.11) 65.97,65.15 C80.1 ; U19.10 141.74,243.63 141.74,242.56 142.24,242.06 143.4,242.06 C90.1 ; C149.1 75.98,61.77 75.4,61.96 U38.1 U38.2 ; U5.16 42.82,195.86 41.75,195.57 C82.1 ; U2.16 75.66,58.22 arc(75.79,58.13) 75.92,58.03 arc(76.03,57.92) 76.09,57.78 76.33,56.87 C112.1 ; U39.2 U39.1 C129.1 ; C88.1 79.77,232.33 80.83,232.05 81.11,231.92 U6.16 ; C68.1 181.66,229.72 arc(181.91,229.41) 181.88,229.01 181.74,228.72 arc(181.7,228.31) U8.16 ; 93.39,241.88 93.68,242.05 arc(93.98,242.17) 94.3,242.21 94.55,242.2 arc(95.04,242.06) 95.39,241.68 95.68,241.15 arc(96.1,240.38) C119.1 ; C78.1 39.65,95.64 arc(39.69,95.86) 39.82,96.06 arc(39.91,96.24) 39.87,96.44 U3.16 ; C116.1 196.23,219.53 arc(196.35,219.82) 196.39,220.12 196.39,220.6 arc(196.37,220.79) 196.31,220.96 196.24,221.13 arc(196.09,221.49) 195.92,221.84 arc(195.85,222.19) 195.95,222.53 196.16,222.9 ; U1.16 124.21,42.4 124.55,42.05 C98.1 ; 226.64,178.51 226.51,178.44 226.23,177.39 arc(225.85,176.47) 225.25,175.68 arc(224.91,175.46) C115.1 ; C131.1 172.12,56.98 171.92,56.79 U48.1 U48.2 ; U17.10 48.72,203.91 49.53,204.09 49.89,204.54 49.61,205.6 C72.1 ; 163.02,45.14 162.82,45.49 arc(162.56,45.76) 162.21,45.88 161.66,45.93 arc(161.18,46.03) 160.74,46.24 arc(160.36,46.55) 160.07,46.95 C126.1 ; C127.1 U46.1 U46.2 ; U25.5 109.03,41.62 107.32,43.34 C124.1 v1(106.28,44.21) ; C121.1 28.15,164.34 arc(27.38,164.17) 26.77,163.69 26.61,163.51 arc(26.35,163.2) 26.07,162.91 25.78,162.62 U28.5 ; C137.1 U45.1 U45.2 ; C96.1 29.35,158.96 arc(29.37,158.86) 29.42,158.78 arc(29.48,158.7) 29.49,158.61 29.49,157.6 arc(29.47,157.46) 29.38,157.34 29.03,156.98 29.01,156.98 U16.10 ; U15.10 35.88,105.37 arc(36.12,105.72) 36.07,106.13 arc(36.04,106.18) 36,106.23 arc(35.96,106.26) 35.92,106.3 35.86,106.34 arc(35.77,106.42) 35.68,106.51 C76.1 ; C122.1 51.47,210.74 49.91,211.07 48.5,210.69 48.37,210.77 ; U40.2 U40.1 C133.1 ; U13.10 114.8,43.39 114.8,44.49 114.35,44.94 113.25,44.94 C114.1 v1(112.78,43.43) ; C117.1 148.97,245.75 148.56,246.15 U31.5 ; U26.5 60.18,64.07 60.07,64.64 60.07,65.15 60.45,66.29 C118.1 ; U42.2 85.33,230.5 U42.1 84.62,230.23 84.17,230.04 C145.1 ; U7.16 131.75,243.65 C74.1 ; U43.2 U43.1 ; U18.10 90,236.36 arc(90.4,235.97) 90.94,235.83 91.02,235.83 arc(91.18,235.86) 91.31,235.94 91.32,235.95 arc(91.46,236.06) 91.61,236.16 C92.1 ; U44.2 U44.1 C143.1 ; U47.2 U47.1 ; C94.1 27.05,145.94 27.05,146.94 27.56,147.45 U4.16
  vias: v1(53.98,18.03) v1(53.98,17.14) v1(53.98,16.26) v1(53.98,15.37) v1(53.98,14.48) v1(53.98,13.59) v1(53.98,12.7) v1(56.39,18.03) v1(56.39,17.14) v1(56.39,16.26) v1(56.39,15.37) v1(56.39,14.48) v1(56.39,13.59) v1(56.39,12.7) v1(57.28,18.03) v1(57.28,17.14) v1(57.28,16.26) v1(57.28,15.37) v1(57.28,14.48) v1(57.28,13.59) v1(57.28,12.7) v1(58.17,18.03) v1(58.17,17.14) v1(58.17,16.26) v1(58.17,15.37) v1(58.17,14.48) v1(58.17,13.59) v1(58.17,12.7) v1(59.18,18.03) v1(59.18,17.14) v1(59.18,16.26) v1(59.18,15.37) v1(59.18,14.48) v1(59.18,13.59) v1(59.18,12.7) v1(60.07,18.03) v1(60.07,17.14) v1(60.07,16.26) v1(60.07,15.37) v1(60.07,14.48) v1(60.07,13.59) v1(60.07,12.7) v1(61.09,18.03) v1(61.09,17.14) v1(61.09,16.26) v1(61.09,15.37) v1(61.09,14.48) v1(61.09,13.59) v1(61.09,12.7) v1(61.09,11.81) v1(61.98,18.03) v1(61.98,17.14) v1(61.98,16.26) v1(61.98,15.37) v1(61.98,14.48) v1(61.98,13.59) v1(61.98,12.7) v1(61.98,11.81)
5VDC: length 198
  PWR w0.127: J27.1 23.23,10.79 ; J27.1 22.05,13.48 ; J27.1 22.05,8.11
  LAYER 2 w0.127: 42.02,161.29 J5.1 ; J5.1 42.96,162.23 ; J5.1 43.9,161.29 ; J5.1 42.96,160.35 ; 213.58,124.79 J9.1 ; J9.1 212.64,125.73 ; J9.1 213.58,126.67 ; J9.1 214.52,125.73 ; J2.1 194.2,85.46 ; J2.1 192.32,85.46 ; J2.1 193.26,86.4 ; J2.1 193.26,84.52 ; 155.53,59.8 J8.1 ; J8.1 154.58,60.74 ; J8.1 155.53,61.68 ; J8.1 156.47,60.74 ; J1.1 71.16,78.52 ; J1.1 70.22,77.58 ; J1.1 69.28,78.52 ; J1.1 70.22,79.46 ; J19.1 146.99,228.82 ; J19.1 145.11,228.82 ; J19.1 146.05,229.76 ; J19.1 146.05,227.88 ; 210.1,170.77 J3.1 ; J3.1 211.98,170.77 ; J3.1 211.04,171.71 ; J3.1 211.04,169.82 ; J17.1 64.22,201.56 ; J17.1 62.34,201.56 ; J17.1 63.28,200.62 ; J17.1 63.28,202.5 ; J7.1 186.32,209.44 ; J7.1 185.38,208.5 ; J7.1 186.32,207.56 ; J7.1 187.26,208.5 ; 101.01,225.34 J6.1 ; J6.1 101.01,227.22 ; J6.1 100.07,226.28 ; J6.1 101.96,226.28 ; 45.5,115.31 J10.1 ; J10.1 44.56,116.25 ; J10.1 46.44,116.25 ; J10.1 45.5,117.2 ; 110.49,57.26 J4.1 ; J4.1 110.49,59.14 ; J4.1 111.43,58.2 ; J4.1 109.55,58.2